# KiCad board EVT-PCB.kicad_pcb (continued)
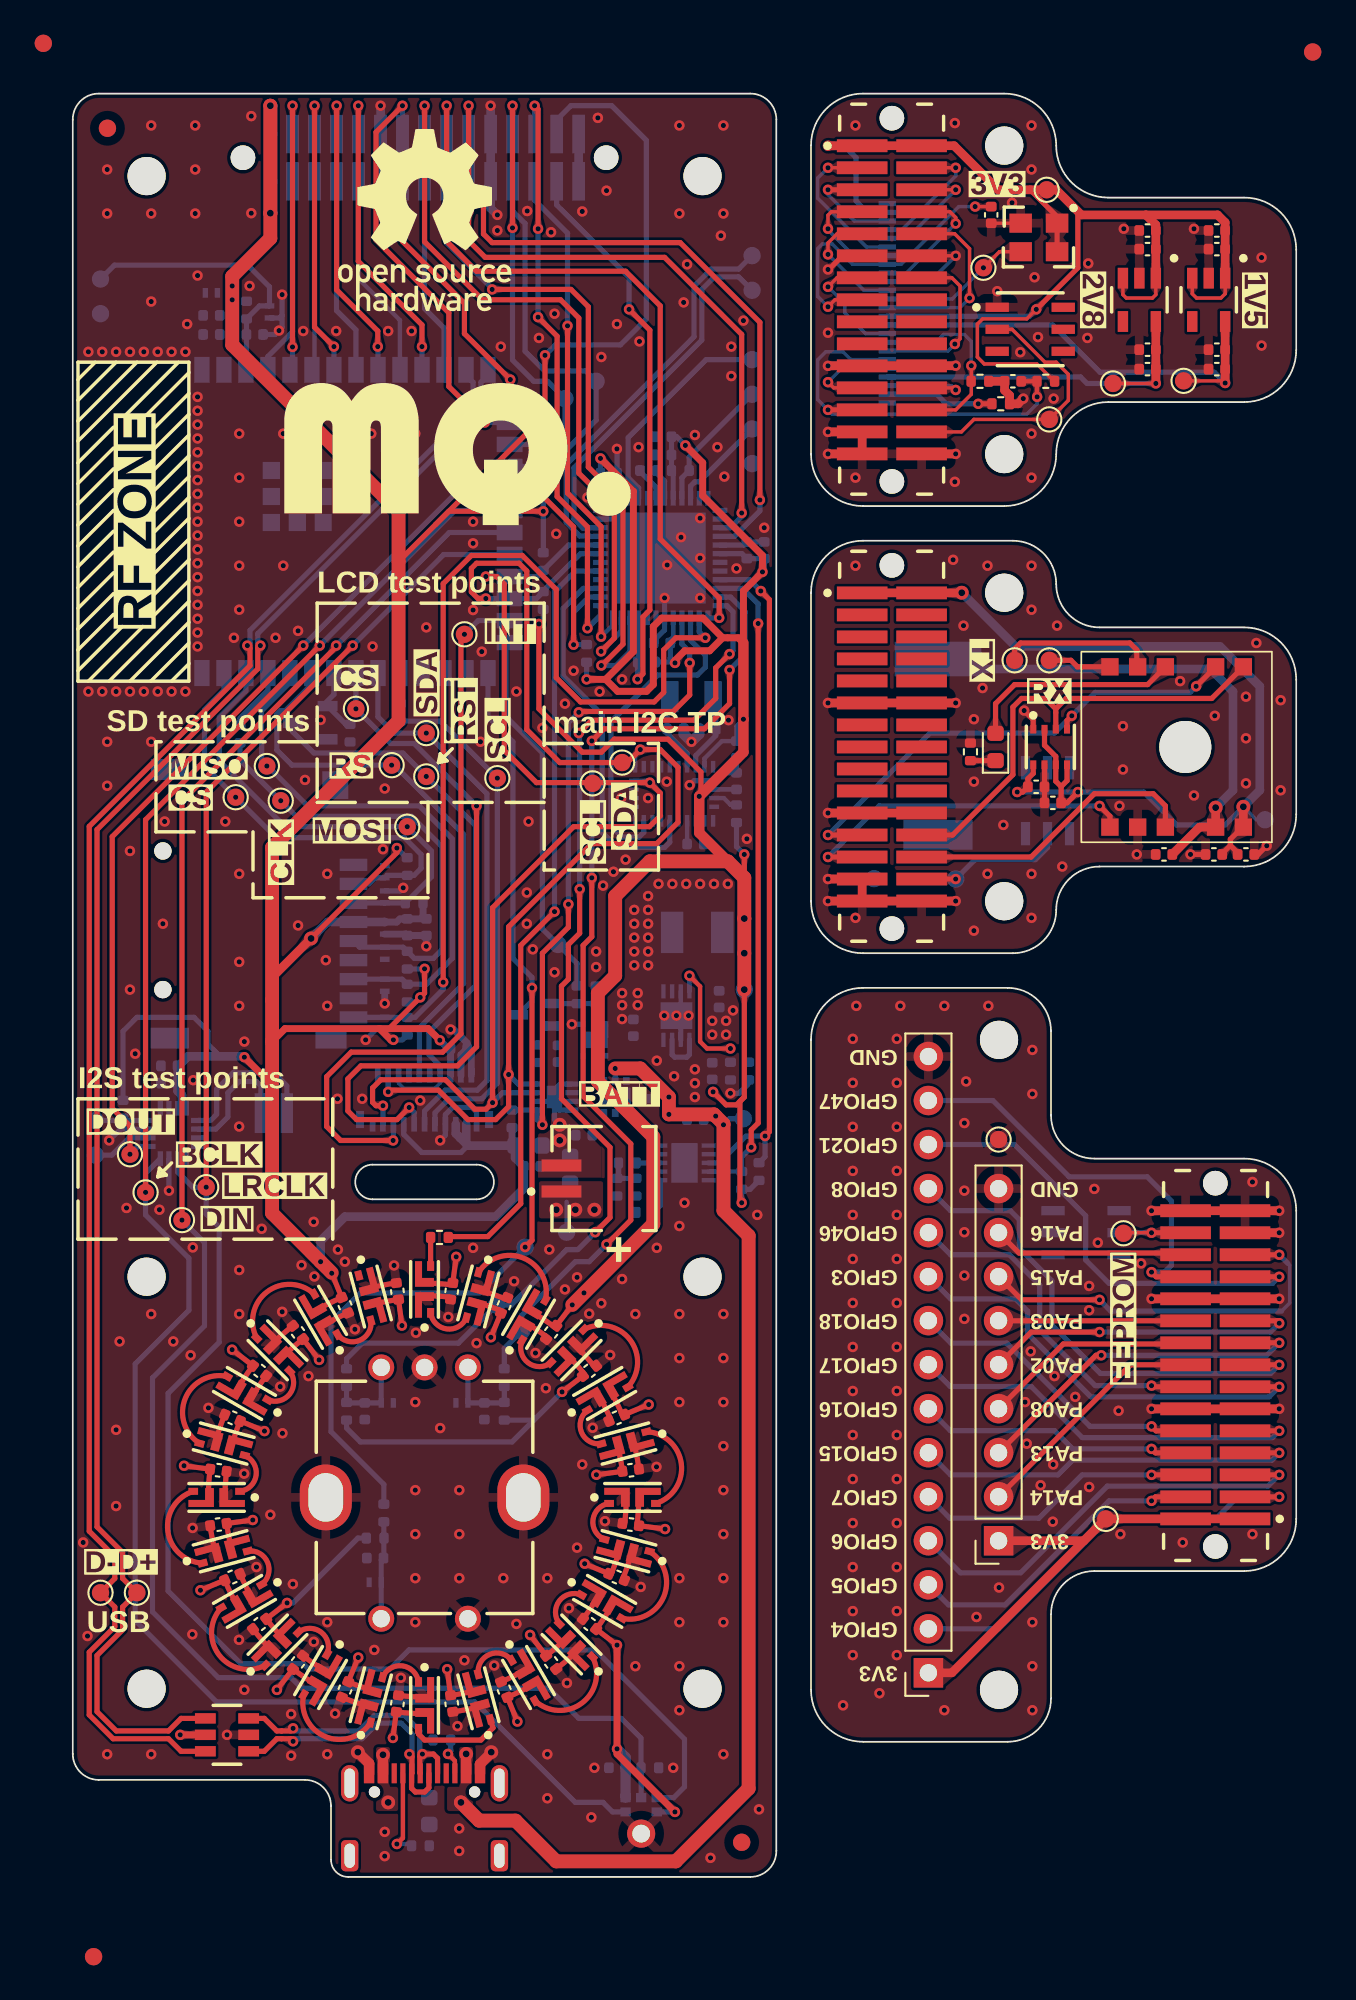
[diagram p0: board, top side]
## Footprints (pads in the part's own frame, mm; a bottom-side part is the same pattern mirrored in y, then rotated)
2-2328724-1
  rect 0.33x0.838 smd: 1(3,1.104) 2(2.7,-1.721) 3(2.4,1.104) 4(2.1,-1.721) 5(1.8,1.104) 6(1.5,-1.721) 7(1.2,1.104) 8(0.9,-1.721) 9(0.6,1.104) 10(0.3,-1.721) 11(0,1.104) 12(-0.3,-1.721) 13(-0.6,1.104) 14(-0.9,-1.721) 15(-1.2,1.104) 16(-1.5,-1.721) 17(-1.8,1.104) 18(-2.1,-1.721) 19(-2.4,1.104) 20(-2.7,-1.721) 21(-3,1.104)
  rect 0.457x0.991 smd: 22(3.725,0.828) 23(-3.725,0.828)
9HT1032768KEZFT
  rect 1x1.8 smd: 1(-1.25,0) 2(1.25,0)
ASE24576MHZLCT
  rect 1.3x1.1 smd: 1(-1.05,-0.825) 2(1.05,-0.825) 3(1.05,0.825) 4(-1.05,0.825)
ATSAMD21G18A-MUT
  rect 0.85x0.3 smd: 1(-3.45,2.75) 2(-3.45,2.25) 3(-3.45,1.75) 4(-3.45,1.25) 5(-3.45,0.75) 6(-3.45,0.25) 7(-3.45,-0.25) 8(-3.45,-0.75) 9(-3.45,-1.25) 10(-3.45,-1.75) 11(-3.45,-2.25) 12(-3.45,-2.75) 25(3.45,-2.75) 26(3.45,-2.25) 27(3.45,-1.75) 28(3.45,-1.25) 29(3.45,-0.75) 30(3.45,-0.25) 31(3.45,0.25) 32(3.45,0.75) 33(3.45,1.25) 34(3.45,1.75) 35(3.45,2.25) 36(3.45,2.75)
  rect 0.3x0.85 smd: 13(-2.75,-3.45) 14(-2.25,-3.45) 15(-1.75,-3.45) 16(-1.25,-3.45) 17(-0.75,-3.45) 18(-0.25,-3.45) 19(0.25,-3.45) 20(0.75,-3.45) 21(1.25,-3.45) 22(1.75,-3.45) 23(2.25,-3.45) 24(2.75,-3.45) 37(2.75,3.45) 38(2.25,3.45) 39(1.75,3.45) 40(1.25,3.45) 41(0.75,3.45) 42(0.25,3.45) 43(-0.25,3.45) 44(-0.75,3.45) 45(-1.25,3.45) 46(-1.75,3.45) 47(-2.25,3.45) 48(-2.75,3.45)
  rect 5.25x5.25 smd: 49(0,0)
BAT54CWT1G
  rect 1.15x0.55 smd: A1(-1,0.65) A2(-1,-0.65) K(1,0)
BME280
  rect 0.5x0.35 smd: 1(1.025,0.975) 2(1.025,0.325) 3(1.025,-0.325) 4(1.025,-0.975) 5(-1.025,-0.975) 6(-1.025,-0.325) 7(-1.025,0.325) 8(-1.025,0.975)
BNO085
  rect 0.675x0.25 smd: 1(1.563,2.25) 6(-1.563,2.25) 7(-1.563,1.75) 8(-1.563,1.25) 9(-1.563,0.75) 10(-1.563,0.25) 11(-1.563,-0.25) 12(-1.563,-0.75) 13(-1.563,-1.25) 14(-1.563,-1.75) 15(-1.563,-2.25) 20(1.563,-2.25) 21(1.563,-1.75) 22(1.563,-1.25) 23(1.563,-0.75) 24(1.563,-0.25) 25(1.563,0.25) 26(1.563,0.75) 27(1.563,1.25) 28(1.563,1.75)
  rect 0.25x0.575 smd: 2(0.75,2.313) 3(0.25,2.313) 4(-0.25,2.313) 5(-0.75,2.313) 16(-0.75,-2.313) 17(-0.25,-2.313) 18(0.25,-2.313) 19(0.75,-2.313)
BSS138-7-F
  rect 1.15x0.6 smd: D(1.1,0) G(-0.9,0.96) S(-0.9,-0.96)
C_0402_1005Metric
  rrect 0.56x0.62 smd: 1(-0.48,0) 2(0.48,0)
C_0603_1608Metric
  rrect 0.9x0.95 smd: 1(-0.775,0) 2(0.775,0)
DESD3V3S1BL-7B
  rect 0.305x0.559 smd: 1(-0.348,0) 2(0.348,0)
DS28E07P+
  rect 1.346x0.533 smd: 1(-1.905,1.27) 2(-1.905,0) 3(-1.905,-1.27) 4(1.905,-1.27) 5(1.905,0) 6(1.905,1.27)
DSK-3R3H224U-HL
  rect 5x2 smd: 1(0,5.075)
  rect 4x1.7 smd: 2(0,-5.075)
ESP32-S3-WROOM-2
  rect 1.499x0.889 smd: 1(-8.75,0) 2(-8.75,-1.27) 3(-8.75,-2.54) 4(-8.75,-3.81) 5(-8.75,-5.08) 6(-8.75,-6.35) 7(-8.75,-7.62) 8(-8.75,-8.89) 9(-8.75,-10.16) 10(-8.75,-11.43) 11(-8.75,-12.7) 12(-8.75,-13.97) 13(-8.75,-15.24) 14(-8.75,-16.51) 27(8.75,-16.51) 28(8.75,-15.24) 29(8.75,-13.97) 30(8.75,-12.7) 31(8.75,-11.43) 32(8.75,-10.16) 33(8.75,-8.89) 34(8.75,-7.62) 35(8.75,-6.35) 36(8.75,-5.08) 37(8.75,-3.81) 38(8.75,-2.54) 39(8.75,-1.27) 40(8.75,0)
  rect 0.889x1.499 smd: 15(-6.985,-17.76) 16(-5.715,-17.76) 17(-4.445,-17.76) 18(-3.175,-17.76) 19(-1.905,-17.76) 20(-0.635,-17.76) 21(0.635,-17.76) 22(1.905,-17.76) 23(3.175,-17.76) 24(4.445,-17.76) 25(5.715,-17.76) 26(6.985,-17.76)
  rect 0.991x0.991 smd: 41(-2.94,-7.004) 41(-2.94,-5.504) 41(-2.94,-4.004) 41(-1.44,-7.004) 41(-1.44,-5.504) 41(-1.44,-4.004) 41(0.06,-7.004) 41(0.06,-5.504) 41(0.06,-4.004)
FD5640
  rect 2x1.3 smd: (-8.05,-15) (8.05,-15)
  rect 7.5x7.5 smd: (0,0)
  rect 0.3x1 smd: 1(-5.95,-17.7) 2(-5.45,-17.7) 3(-4.95,-17.7) 4(-4.45,-17.7) 5(-3.95,-17.7) 6(-3.45,-17.7) 7(-2.95,-17.7) 8(-2.45,-17.7) 9(-1.95,-17.7) 10(-1.45,-17.7) 11(-0.95,-17.7) 12(-0.45,-17.7) 13(0.05,-17.7) 14(0.55,-17.7) 15(1.05,-17.7) 16(1.55,-17.7) 17(2.05,-17.7) 18(2.55,-17.7) 19(3.05,-17.7) 20(3.55,-17.7) 21(4.05,-17.7) 22(4.55,-17.7) 23(5.05,-17.7) 24(5.55,-17.7)
Fiducial_1mm_Mask2mm
  round 1 smd: (0,0)
ICS-43434
  rect 0.522x0.6 smd: 1(-1.364,-0.9) 2(-0.542,-0.9) 4(-0.542,0.9) 5(-1.364,0.9) 6(-1.364,0)
  round 1.625 hole 1.025: 3(0.71,0)
LED_0603_1608Metric
  rrect 0.875x0.95 smd: 1(-0.787,0) 2(0.787,0)
LQH44PN1R0MPRL
  rect 1.295x2.388 smd: 1(-1.448,0) 2(1.448,0)
MAX17048G+T10
  rect 0.75x0.3 smd: 1(-1,0.75) 2(-1,0.25) 3(-1,-0.25) 4(-1,-0.75) 5(1,-0.75) 6(1,-0.25) 7(1,0.25) 8(1,0.75)
  rect 0.9x1.3 smd: 9(0,0)
MAX98357AETE+T
  rect 1.25x1.25 smd: (0,0)
  rect 0.85x0.3 smd: 1(-1.45,0.75) 2(-1.45,0.25) 3(-1.45,-0.25) 4(-1.45,-0.75) 9(1.45,-0.75) 10(1.45,-0.25) 11(1.45,0.25) 12(1.45,0.75)
  rect 0.3x0.85 smd: 5(-0.75,-1.45) 6(-0.25,-1.45) 7(0.25,-1.45) 8(0.75,-1.45) 13(0.75,1.45) 14(0.25,1.45) 15(-0.25,1.45) 16(-0.75,1.45)
MCP73833T
  rect 0.813x0.254 smd: 1(-1.397,1) 2(-1.397,0.5) 3(-1.397,0) 4(-1.397,-0.5) 5(-1.397,-1) 6(1.397,-1) 7(1.397,-0.5) 8(1.397,0) 9(1.397,0.5) 10(1.397,1)
  rect 1.524x2.286 smd: 11(0,0)
MountingHole_2.2mm_M2
  round 2.2 hole 2.2 unplated: (0,0)
MSD1A
  round 1 hole 1 unplated: (-4.95,-3.5) (3.05,-3.5)
  rect 0.7x1.6 smd: 1(2.25,7.5) 2(1.15,7.5) 3(0.05,7.5) 4(-1.05,7.5) 5(-2.15,7.5) 6(-3.25,7.5) 7(-4.35,7.5) 8(-5.45,7.5) CD1(-6.55,7.5)
  rect 1.2x2.2 smd: MP1(7.75,-3.1) MP2(-7.75,-3.1)
  rect 1.6x1.5 smd: MP3(6.85,6.45)
  rect 1.2x1.8 smd: MP4(-7.75,6.2)
NCV6324BMTAATBG
  rect 0.813x0.254 smd: 1(-1.397,0.75) 2(-1.397,0.25) 3(-1.397,-0.25) 4(-1.397,-0.75) 5(1.397,-0.75) 6(1.397,-0.25) 7(1.397,0.25) 8(1.397,0.75)
  rect 1.549x1.829 smd: 9(0,0)
NTLJF3117PT1G
  rect 0.39x0.45 smd: 1(-0.65,-0.925) 2(0,-0.925) 3(0.65,-0.925) 4(0.65,0.925) 5(0,0.925) 6(-0.65,0.925)
  rect 0.82x1.1 smd: 7(-0.49,0) 8(0.49,0)
PA1010D
  round 3 hole 3 unplated: (0,0.5)
  rect 1x1 smd: 1(-4.625,3.85) 2(-4.625,2.25) 3(-4.625,-0.65) 4(-4.625,-2.25) 5(-4.625,-3.85) 6(4.625,-3.85) 7(4.625,-2.25) 8(4.625,-0.65) 9(4.625,2.25) 10(4.625,3.85)
PEC11R-4215F-S0024
  round 1.5 hole 1: 1(-2.5,7) 2(2.5,7) A1(-2.5,-7.5) B1(2.5,-7.5) C1(0,-7.5)
  oval 3x3.8 hole 2x2.8: MH1(-5.7,0) MH2(5.7,0)
PinSocket_1x09_P2.54mm_Vertical
  rect 1.7x1.7 hole 1: 1(0,0)
  oval 1.7x1.7 hole 1: 2(0,-2.54) 3(0,-5.08) 4(0,-7.62) 5(0,-10.16) 6(0,-12.7) 7(0,-15.24) 8(0,-17.78) 9(0,-20.32)
PinSocket_1x15_P2.54mm_Vertical
  rect 1.7x1.7 hole 1: 1(0,0)
  oval 1.7x1.7 hole 1: 2(0,-2.54) 3(0,-5.08) 4(0,-7.62) 5(0,-10.16) 6(0,-12.7) 7(0,-15.24) 8(0,-17.78) 9(0,-20.32) 10(0,-22.86) 11(0,-25.4) 12(0,-27.94) 13(0,-30.48) 14(0,-33.02) 15(0,-35.56)
R_0402_1005Metric
  rrect 0.54x0.64 smd: 1(-0.51,0) 2(0.51,0)
S2B-ZR-SM4A-TF
  rect 1.1x1.9 smd: (-2.7,1.05) (2.7,1.05)
  rect 0.7x2.3 smd: 1(0.75,-2.45) 2(-0.75,-2.45)
SFC-115-T2-F-D-A
  round 1.42 hole 1.42 unplated: (-10.48,0) (10.48,0)
  rect 0.74x2.22 smd: 01(8.89,-1.365) 02(8.89,1.365) 03(7.62,-1.365) 04(7.62,1.365) 05(6.35,-1.365) 06(6.35,1.365) 07(5.08,-1.365) 08(5.08,1.365) 09(3.81,-1.365) 10(3.81,1.365) 11(2.54,-1.365) 12(2.54,1.365) 13(1.27,-1.365) 14(1.27,1.365) 15(0,-1.365) 16(0,1.365) 17(-1.27,-1.365) 18(-1.27,1.365) 19(-2.54,-1.365) 20(-2.54,1.365) 21(-3.81,-1.365) 22(-3.81,1.365) 23(-5.08,-1.365) 24(-5.08,1.365) 25(-6.35,-1.365) 26(-6.35,1.365) 27(-7.62,-1.365) 28(-7.62,1.365) 29(-8.89,-1.365) 30(-8.89,1.365)
SIA527DJ-T1-GE3
  rect 0.3x0.325 smd: D1(-0.65,0.913) D2(0.65,-0.912) G1(0,-0.912) G2(0,0.913) S1(-0.65,-0.912) S2(0.65,0.913)
  rect 0.613x0.95 smd: D1(-0.466,0) D2(0.466,0)
SK68XX-EC3210F
  custom 1.473x1.092 smd: 1(-0.361,0.249) 4(0.359,0.247)
  rect 0.559x0.406 smd: 2(-1.35,-0.349) 3(1.35,-0.349)
TestPoint_Pad_D1.0mm
  round 1 smd: 1(0,0)
TFC-115-02-F-D-A
  round 1.42 hole 1.42 unplated: (-10.48,0) (10.48,0)
  rect 0.74x2.92 smd: 01(-8.89,-1.715) 02(-8.89,1.715) 03(-7.62,-1.715) 04(-7.62,1.715) 05(-6.35,-1.715) 06(-6.35,1.715) 07(-5.08,-1.715) 08(-5.08,1.715) 09(-3.81,-1.715) 10(-3.81,1.715) 11(-2.54,-1.715) 12(-2.54,1.715) 13(-1.27,-1.715) 14(-1.27,1.715) 15(0,-1.715) 16(0,1.715) 17(1.27,-1.715) 18(1.27,1.715) 19(2.54,-1.715) 20(2.54,1.715) 21(3.81,-1.715) 22(3.81,1.715) 23(5.08,-1.715) 24(5.08,1.715) 25(6.35,-1.715) 26(6.35,1.715) 27(7.62,-1.715) 28(7.62,1.715) 29(8.89,-1.715) 30(8.89,1.715)
TLV74315PDBVR
  rect 1.2x0.6 smd: 1(-1.25,0.95) 2(-1.25,0) 3(-1.25,-0.95) 4(1.25,-0.95) 5(1.25,0.95)
TLV74328PDBVR
  rect 1.2x0.6 smd: 1(-1.25,0.95) 2(-1.25,0) 3(-1.25,-0.95) 4(1.25,-0.95) 5(1.25,0.95)
USB4105-GF-A
  round 0.65 hole 0.65 unplated: (-2.89,2.605) (2.89,2.605)
  rect 0.6x1.15 smd: A1_B12(-3.2,3.68) A4_B9(-2.4,3.68) B1_A12(3.2,3.68) B4_A9(2.4,3.68)
  rect 0.3x1.15 smd: A5(-1.25,3.68) A6(-0.25,3.68) A7(0.25,3.68) A8(1.25,3.68) B5(1.75,3.68) B6(0.75,3.68) B7(-0.75,3.68) B8(-1.75,3.68)
  oval 1x2.1 hole 0.6x1.7: SH1(-4.32,3.105) SH2(4.32,3.105)
  rrect 1x1.8 hole 0.6x1.4: SH3(-4.32,-1.075) SH4(4.32,-1.075)
USBLC6-2SC6
  rect 1.2x0.6 smd: 1(-1.25,0.95) 2(-1.25,0) 3(-1.25,-0.95) 4(1.25,-0.95) 5(1.25,0) 6(1.25,0.95)

## Nets
+1V5: C1109.1 C1110.1 TP1103.1 U1102.10 U1103.5
+2V8: C1104.1 C1105.1 TP1101.1 U1101.5 U1102.4
+3V3: C201.1 C202.1 C302.1 C303.1 C501.1 C502.1 C504.1 C505.1 C506.1 C507.1 C508.1 C509.1 C510.1 C511.1 C512.1 C513.1 C514.1 C515.1 C516.1 C517.1 C518.1 C519.1 C520.1 C521.1 C522.1 C523.1 C524.1 C525.1 C526.1 C527.1 C529.1 C530.1 C531.1 C532.1 C601.1 C701.1 C703.1 C705.1 C802.1 C803.1 C901.1 C902.1 C1001.1 C1002.1 C1102.1 C1103.1 C1107.1 C1108.1 C1201.1 C1202.1 C1205.1 C1206.1 D201.1 D501.4 D502.4 D503.4 D504.4 D505.4 D506.4 D507.4 D508.4 D509.4 D510.4 D511.4 D512.4 D513.4 D514.4 D515.4 D516.4 D517.4 D518.4 D519.4 D520.4 D521.4 D522.4 D523.4 D524.4 D901.1 IC501.6 IC501.17 IC501.36 IC501.44 J101.01 J101.02 J701.3 J701.5 J701.6 J701.15 J901.4 J1101.01 J1101.02 J1201.01 J1201.02 J1302.1 J1303.01 J1303.02 J1304.1 L301.2 M601.2 M601.5 R101.1 R102.1 R103.1 R104.1 R107.1 R108.1 R201.1 R304.1 R402.1 R403.1 R404.1 R501.1 R506.2 R507.2 R508.2 R801.1 R901.1 R902.1 R903.1 R904.1 R905.1 R1001.1 R1101.1 TP105.1 TP1104.1 TP1204.1 TP1301.1 U201.2 U801.3 U801.28 U1001.7 U1001.8 U1101.1 U1101.3 U1102.11 U1102.23 U1103.1 U1103.3 U1201.10 U1202.2 U1202.5 U1202.6 U1202.8 X1101.1 X1101.4
+5V: C301.1 C402.1 D301.5 J301.A4_B9 J301.B4_A9 R301.1 TP301.1 U301.1 U301.5 U402.1 U402.2
GND: C201.2 C202.2 C203.2 C301.2 C303.2 C304.2 C401.2 C402.2 C403.2 C501.2 C502.2 C503.2 C504.2 C505.2 C506.2 C507.2 C508.2 C509.2 C510.2 C511.2 C512.2 C513.2 C514.2 C515.2 C516.2 C517.2 C518.2 C519.2 C520.2 C521.2 C522.2 C523.2 C524.2 C525.2 C526.2 C527.2 C528.2 C529.2 C530.2 C531.2 C532.2 C533.2 C534.2 C601.2 C701.2 C703.2 C705.2 C801.2 C802.2 C803.2 C804.2 C805.2 C901.2 C902.2 C1001.2 C1002.2 C1101.2 C1102.2 C1103.2 C1104.2 C1105.2 C1106.2 C1107.2 C1108.2 C1109.2 C1110.2 C1201.2 C1202.2 C1203.2 C1204.2 C1205.2 C1206.2 D201.2 D202.2 D301.2 D501.1 D502.1 D503.1 D504.1 D505.1 D506.1 D507.1 D508.1 D509.1 D510.1 D511.1 D512.1 D513.1 D514.1 D515.1 D516.1 D517.1 D518.1 D519.1 D520.1 D521.1 D522.1 D523.1 D524.1 D525.2 D526.2 D527.2 D901.2 D902.2 D903.2 D904.2 D905.2 D906.2 E501.1 E501.C1 E501.MH1 E501.MH2 IC501.5 IC501.18 IC501.35 IC501.42 IC501.49 J101.11 J101.12 J101.21 J101.22 J101.29 J101.30 J301.A1_B12 J301.B1_A12 J401.2 J701.1 J701.2 J701.4 J701.7 J701.14 J701.20 J701.21 J901.6 J1101.11 J1101.12 J1101.21 J1101.22 J1101.27 J1101.29 J1101.30 J1201.11 J1201.12 J1201.21 J1201.22 J1201.27 J1201.29 J1201.30 J1302.9 J1303.11 J1303.12 J1303.21 J1303.22 J1303.27 J1303.29 J1303.30 J1304.15 M601.3 Q101.S Q301.S1 R105.2 R301.2 R302.2 R303.2 R305.2 R309.2 R401.1 R406.2 R407.2 R601.2 R1102.1 R1103.1 R1201.1 TP202.1 TP508.1 TP1209.1 TP1302.1 U201.1 U201.40 U201.41 U302.1 U302.3 U302.6 U302.9 U401.1 U401.4 U401.6 U401.9 U402.5 U402.11 U801.2 U801.5 U801.6 U801.10 U801.17 U801.25 U1001.3 U1001.11 U1001.15 U1101.2 U1102.15 U1103.2 U1104.1 U1201.7 U1202.1 U1202.7 U1203.1 U1301.1 X1101.2
GNDA: R1103.2 U1102.2
VBUS: C304.1 Q301.D2 U302.5 U302.7 U302.8
+BATT: C401.1 C403.1 J401.1 TP401.1 U301.3 U301.8 U401.2 U401.3 U402.9 U402.10
/BATM_INT: IC501.16 R402.2 U401.5
/BATM_STAT1: IC501.9 R403.2 U402.3
/BATM_STAT2: IC501.10 R404.2 U402.4
/Camera Module/DATA0: U1102.24
/Camera Module/DATA2: J1101.03 U1102.19
/Camera Module/DATA3: J1101.04 U1102.21
/Camera Module/DATA4: J1101.05 U1102.22
/Camera Module/DATA5: J1101.06 U1102.20
/Camera Module/DATA6: J1101.07 U1102.18
/Camera Module/DATA7: J1101.08 U1102.16
/Camera Module/DATA8: J1101.09 U1102.14
/Camera Module/DATA9: J1101.10 U1102.12
/Camera Module/EEPROM: J1101.28 TP1108.1 U1104.2
/Camera Module/HSYNC: J1101.13 U1102.9
/Camera Module/PCLK: C1101.1 J1101.15 U1102.17
/Camera Module/PWDN: J1101.26 R1102.2 U1102.8
/Camera Module/SCL: J1101.23 U1102.5
/Camera Module/SDA: J1101.24 U1102.3
/Camera Module/VSYNC: J1101.14 U1102.7
/Camera Module/~{RESET}: C1106.1 J1101.25 R1101.2 U1102.6
/Dev Module/ATSAMD_IO11: J1302.2 J1303.16
/Dev Module/ATSAMD_IO12: J1302.3 J1303.17
/Dev Module/ATSAMD_IO13: J1302.4 J1303.18
/Dev Module/ATSAMD_IO14: J1302.5 J1303.19
/Dev Module/ATSAMD_IO15: J1302.6 J1303.20
/Dev Module/ATSAMD_IO16: J1302.7 J1303.25
/Dev Module/ATSAMD_IO17: J1302.8 J1303.26
/Dev Module/EEPROM: J1303.28 TP1303.1 U1301.2
/Dev Module/ESP32_IO0: J1303.03 J1304.2
/Dev Module/ESP32_IO1: J1303.04 J1304.3
/Dev Module/ESP32_IO2: J1303.05 J1304.4
/Dev Module/ESP32_IO3: J1303.06 J1304.5
/Dev Module/ESP32_IO4: J1303.07 J1304.6
/Dev Module/ESP32_IO5: J1303.08 J1304.7
/Dev Module/ESP32_IO6: J1303.09 J1304.8
/Dev Module/ESP32_IO7: J1303.10 J1304.9
/Dev Module/ESP32_IO8: J1303.13 J1304.10
/Dev Module/ESP32_IO9: J1303.14 J1304.11
/Dev Module/ESP32_IO10: J1303.15 J1304.12
/Dev Module/SCL: J1303.23 J1304.13
/Dev Module/SDA: J1303.24 J1304.14
/ESP32-S3-WROOM-2/GPIO38: R109.2 U201.31
/ESP32-S3-WROOM-2/GPIO43/TXD0: R110.2 U201.37
/ESP32-S3-WROOM-2/MCU_RST: C203.1 D202.1 R201.2 TP201.1 U201.3
/I2S_BCLK: M601.4 TP109.1 U201.20 U1001.16
/I2S_DIN: M601.6 R601.1 TP110.1 U201.21
/I2S_DOUT: TP108.1 U201.19 U1001.1
/I2S_LRCLK: M601.1 TP111.1 U201.22 U1001.14
/IMU/IMU_XIN: C804.1 U801.27 X801.1
/IMU/IMU_XOUT: C805.1 U801.26 X801.2
/IMU_INT: IC501.15 U801.14
/IMU_RST: IC501.27 U801.11
/LCD/LCD_TE: J701.10
/LCD_CS: J701.13 TP117.1 U201.33
/LCD_RESET: Q101.G R105.1 U201.34
/LCD_RS: J701.12 TP119.1 U201.35
/LCD_SCL: J701.9 R109.1 TP115.1
/LCD_SDA: J701.11 TP116.1 U201.32
/LEAT/D+: IC501.34 TP503.1
/LEAT/D-: IC501.33 TP502.1
/LEAT/LEAT_ENC_A: IC501.11 R504.2 TP506.1
/LEAT/LEAT_ENC_B: IC501.12 R505.2 TP507.1
/LEAT/NEOPIXEL: IC501.29 R502.1
/LEAT/SWCLK: IC501.45 R501.2 TP504.1
/LEAT/SWDIO: IC501.46 TP505.1
/LEAT/~{RESET}: IC501.40 TP501.1
/LEAT_ENC_SW: D302.K R503.2 TP114.1 U201.27
/MAIN_SCL: IC501.32 J701.19 R101.2 TP101.1 U201.23 U401.7 U801.19
/MAIN_SDA: IC501.31 J701.18 R102.2 TP102.1 U201.24 U401.8 U801.20
/MAX98357/MAX_OUTN: J1001.2 U1001.10
/MAX98357/MAX_OUTP: J1001.1 U1001.9
/MAX98357/MAX_SD: R1001.2 TP1002.1 U1001.4
/MOD_DET: IC501.21 J101.27 R108.2
/MOD_EEPROM: IC501.26 J101.28 R107.2
/MOD_IO0: J101.03 U201.4
/MOD_IO1: J101.04 U201.5
/MOD_IO2: J101.05 U201.6
/MOD_IO3: J101.06 U201.7
/MOD_IO4: J101.07 U201.8
/MOD_IO5: J101.08 U201.9
/MOD_IO6: J101.09 U201.10
/MOD_IO7: J101.10 U201.11
/MOD_IO8: J101.13 U201.15
/MOD_IO9: J101.14 U201.16
/MOD_IO10: J101.15 U201.12
/MOD_IO11: IC501.23 J101.16
/MOD_IO12: IC501.22 J101.17
/MOD_IO13: IC501.13 J101.18
/MOD_IO14: IC501.3 J101.19
/MOD_IO15: IC501.4 J101.20
/MOD_PWDN: IC501.25 J101.26
/MOD_RESET: IC501.24 J101.25
/MOD_SCL: J101.23 R103.2 TP103.1 U201.18
/MOD_SDA: J101.24 R104.2 TP104.1 U201.17
/Mountain Module/EEPROM: J1201.28 TP1210.1 U1203.2
/Mountain Module/SCL: J1201.23 U1201.2 U1202.4
/Mountain Module/SDA: J1201.24 U1201.1 U1202.3
/Mountain Module/WAKEUP: J1201.26 U1201.8
/Mountain Module/~{RESET}: J1201.25 U1201.6
/PWR_CTRL: R308.2 TP113.1 U201.26
/SD_CARDDET: D902.1 IC501.14 J901.CD1 R901.2
/SD_CLK: D903.1 J901.5 R110.1 R902.2 TP123.1
/SD_CS: D906.1 J901.2 R905.2 TP121.1 U201.39
/SD_MISO: D905.1 J901.7 R904.2 TP120.1 U201.36
/SD_MOSI: D904.1 J901.3 R903.2 TP122.1 U201.38
/Supply/BUCK_FB: C302.2 R304.2 R305.1 U302.4
/Supply/BUCK_SW: L301.1 U302.2
/Supply/USBC_D+: D301.3 J301.A6 J301.B6
/Supply/USBC_D-: D301.1 J301.A7 J301.B7
/TP_INT: J701.17 TP112.1 U201.25
/USB_D+: D301.4 TP107.1 U201.14
/USB_D-: D301.6 TP106.1 U201.13
/~{LCD_RESET}: J701.8 J701.16 Q101.D TP118.1
VDC: C305.1 Q301.S2 R306.2 U301.4 U301.6 U301.7
Net-(C305-Pad2): C305.2 D302.A2 Q301.D1 Q301.G2 R306.1
Net-(D302-PadA1): D302.A1 Q301.G1 R308.1 R309.1
Net-(D501-DIN): D501.3 R502.2
Net-(D501-DOUT): D501.2 D502.3
Net-(D502-DOUT): D502.2 D503.3
Net-(D503-DOUT): D503.2 D504.3
Net-(D504-DOUT): D504.2 D505.3
Net-(D505-DOUT): D505.2 D506.3
Net-(D506-DOUT): D506.2 D507.3
Net-(D507-DOUT): D507.2 D508.3
Net-(D508-DOUT): D508.2 D509.3
Net-(D509-DOUT): D509.2 D510.3
Net-(D510-DOUT): D510.2 D511.3
Net-(D511-DOUT): D511.2 D512.3
Net-(D512-DOUT): D512.2 D513.3
Net-(D513-DOUT): D513.2 D514.3
Net-(D514-DOUT): D514.2 D515.3
Net-(D515-DOUT): D515.2 D516.3
Net-(D516-DOUT): D516.2 D517.3
Net-(D517-DOUT): D517.2 D518.3
Net-(D518-DOUT): D518.2 D519.3
Net-(D519-DOUT): D519.2 D520.3
Net-(D520-DOUT): D520.2 D521.3
Net-(D521-DOUT): D521.2 D522.3
Net-(D522-DOUT): D522.2 D523.3
Net-(D523-DOUT): D523.2 D524.3
Net-(D1201-A): D1201.2 U1201.3
Net-(D1201-K): D1201.1 R1201.2
Net-(E501-A): C534.1 D525.1 E501.A1 R504.1 R508.1
Net-(E501-B): C533.1 D526.1 E501.B1 R505.1 R507.1
Net-(E501-NO): C503.1 D527.1 E501.2 R503.1 R506.1
Net-(IC501-VDDCORE): C528.1 IC501.43
Net-(J301-CC1): J301.A5 R303.1
Net-(J301-CC2): J301.B5 R302.1
Net-(R405-Pad2): R405.2 R406.1 R407.1
Net-(U402-PROG): R401.2 U402.6
Net-(U402-THERM): R405.1 U402.8
Net-(U801-BOOTN): R801.2 U801.4
Net-(U801-CAP): C801.1 U801.9
Net-(U1001-GAIN): TP1001.1 U1001.2
Net-(U1102-XCLK): TP1102.1 U1102.13 X1101.3
Net-(U1201-RX): TP1203.1 U1201.5
Net-(U1201-TX): TP1202.1 U1201.4
Net-(U1201-VBACKUP): C1203.1 C1204.1 U1201.9

Pads without a net: D524 2; IC501 1 2 7 8 19 20 28 30 37 38 39 41 47 48; J301 A8 B8 SH1 SH2 SH3 SH4; J701 22 23; J901 1 8 MP1 MP2 MP3 MP4; J1101 16 17 18 19 20; J1201 03 04 05 06 07 08 09 10 13 14 15 16 17 18 19 20; U201 28 29 30; U301 2; U402 7; U801 1 7 8 12 13 15 16 18 21 22 23 24; U1001 5 6 12 13; U1101 4; U1102 1; U1103 4; U1104 3 4 5 6; U1203 3 4 5 6; U1301 3 4 5 6

## Via types
v1: diameter 0.8, hole 0.4, Top to Bottom, 20 vias
v2: diameter 0.6, hole 0.3, Top to Bottom, 673 vias

## Routing (per net, layer and track width the routed paths; a pad name or vN(x,y) marks a point on that pad's centre or on a via; arc(x,y) is an arc through that point)
+1V5: length 26.9
  Top w0.2: v2(66.5,86.2) 66.38,86.32 TP1103.1
  Top w0.5: v2(66.5,86.2) U1103.5
  Bottom w0.3: U1102.10 56.55,89.55 59.28,86.82 65.88,86.82 v2(66.5,86.2)
+2V8: length 21.7
  Top w0.2: TP1101.1 v2(62.5,86.17)
  Top w0.5: U1101.5 v2(62.5,86.17)
  Bottom w0.3: v2(62.5,86.17) 58.53,86.17 58.15,86.55 U1102.4
+3V3: length 757
  Top w0.2: U1103.3 64.6,91.35 64.85,91.1 66.25,91.1 66.5,91.35 U1103.1 ; R1101.1 56.63,86.3 55.63,87.3 52.6,87.3 52.2,87.7 52.2,89.6 52.5,89.9 55.05,89.9 v2(55.6,90.45) ; U1101.3 60.6,91.3 60.8,91.1 62.3,91.1 62.5,91.3 U1101.1
  Top w0.3: 7.82,21.76 arc(7.84,22.64) C522.1 v2(6.42,23.73) ; 9.11,19.16 arc(8.98,19.77) C521.1 v2(10.39,20.59) ; 9.24,25.12 arc(9.43,25.72) C523.1 v2(11.06,25.73) ; 9.42,28.02 arc(9.88,28.77) C524.1 v2(9.19,30.42) ; 9.62,15.44 arc(9.16,16.27) C520.1 v2(7.37,16.54) ; 11.98,13.93 arc(11.56,14.4) C519.1 v2(12.37,15.81) ; 12.33,30.22 arc(12.8,30.64) C525.1 v2(14.21,29.83) ; 13.84,32.58 arc(14.67,33.04) C526.1 v2(14.94,34.83) ; 14.28,10.97 arc(13.47,11.45) C518.1 v2(11.78,10.79) ; 17.08,10.84 arc(16.48,11.03) C517.1 v2(16.47,12.66) ; 17.56,33.09 arc(18.17,33.22) C527.1 v2(18.99,31.81) ; D501.4 arc(20.98,34.24) 21.91,34.16 ; 20.55,9.42 arc(19.61,9.44) C516.1 v2(18.47,8.02) ; 23.04,10.71 arc(22.43,10.58) C515.1 v2(21.61,11.99) ; D502.4 arc(24.16,32.89) 24.76,32.66 ; D503.4 arc(27.06,32.25) 27.83,31.71 ; 26.76,11.22 arc(25.93,10.76) C514.1 v2(25.66,8.97) ; 28.27,13.58 arc(27.8,13.16) C513.1 v2(26.39,13.97) ; D504.4 arc(29.14,29.48) 29.54,28.99 ; D505.4 arc(31.33,27.48) 31.72,26.63 ; 31.23,15.88 arc(30.75,15.07) C512.1 v2(31.41,13.38) ; D508.4 arc(31.29,18.04) 31.06,17.44 ; 31.49,24.64 arc(31.62,24.03) C509.1 v2(30.21,23.21) ; D507.4 arc(32.64,21.22) 32.56,20.29 ; v1(13.75,54.15) 18.7,59.1 v2(18.7,59.37) ; v2(26.6,83.7) 20.95,78.05 ; 20.95,78.05 18.8,75.9 ; 20.95,78.05 21.7,78.8 v2(27.15,78.8) ; 66.8,59.52 67.22,59.1 C1201.1 ; 66.8,59.52 66.8,59.88 67.5,60.58 ; 66.8,59.52 66.33,59.05 66.33,59.1 ; 38.75,45 38.5,44.75 38.5,39 v2(38.6,38.9) ; 38.75,45 v1(38.75,51.2) ; 38.75,45 38.3,44.55 37.7,44.55 v2(36.95,45.3) ; C510.1 v2(34.18,20.07) ; v2(20.3,52.4) 20.3,51 18.2,48.9 ; 58.2,95.9 58,96.1 58,92.85 v2(55.6,90.45) ; U1202.8 55.42,63.68 55.11,63.37 C1205.1 54.81,62.6 v2(54.5,62.6) ; C508.1 v2(33.23,27.26) ; C511.1 v2(29.54,18.07) ; v2(38.75,59) 38.75,57.65 ; 55.25,97.35 56.8,95.8 X1101.1 56.8,93.78 ; C504.1 v2(22.13,35.78) ; 36.15,62.2 v2(36.15,62.35) 36.25,62.45 36.25,63.75 34.35,65.65 31.25,65.65 30.5,64.9 29.4,64.9 26.9,67.4 v2(26.9,72.3) ; C506.1 v2(28.82,33.01) ; C507.1 v2(28.23,27.99) ; C505.1 v2(24.13,31.14) ; U1202.2 56.07,65.3 56.72,64.65 U1202.6 56.72,63.23 57.03,62.92 ; v2(58,62.6) 57.38,61.98 C1206.1 57.03,62.92 ; 56.65,86.29 R1101.1 ; 57.03,62.92 57.38,63.26 U1202.5 ; 11.5,51.9 11.5,50.6
  Top w0.4: 30.75,69.1 v2(29.65,69.1) ; 30.75,69.1 31.44,68.41 33.11,68.41 33.5,68.8 33.5,72.15 33.99,72.64 36.36,72.64 37.5,71.5 ; 30.75,69.1 32.35,70.7 32.35,79.95 v2(30.45,81.85) ; 37.5,71.5 36.75,70.75 35.31,70.75 34.75,70.19 v2(34.75,70.05) ; 37.5,71.5 38.4,71.5 38.7,71.2 38.7,74.2 v2(39.8,75.3) 39.8,76.25 36.35,79.7 36.35,81.6 v2(35.35,82.6) ; v2(31.41,13.38) 31.41,7.09 v2(34.75,3.75) ; 17.7,48.95 18.35,48.3 v2(18.5,48.3) ; 17.7,48.95 12.25,48.95 11.5,48.2 ; 17.7,48.95 20.51,48.95 v2(21.18,48.28) ; 11.5,45.7 v2(9.9,47.3)
  Top w0.5: 61.92,95.9 66.06,95.9 66.5,95.46 U1103.1 ; 61.92,95.9 62.5,95.33 U1101.1 ; 61.92,95.9 58.2,95.9 56.75,97.35 53.4,97.35 50.86,99.89 J1101.02 J1101.01 v2(43.58,99.89) ; v1(51.3,74.1) 51.29,74.09 J1201.02 J1201.01 ; v1(67.55,61.75) 67.55,60.63 67.5,60.58 ; J1303.01 TP1301.1 ; TP1301.1 58.35,19.4 J1302.1 ; TP1301.1 50.73,11.78 J1304.1 ; v1(13.75,54.15) 11.5,51.9
  Top w0.6: 37.8,58.6 36.15,60.25 v2(36.15,62.35) 38.7,64.9 v2(38.7,66.8) 38.7,71.2 ; v2(14.94,34.83) 14.94,34.86
  Top w0.8: v1(11.4,102.2) v1(11.4,96) 11.4,94.55 9.2,92.35 9.2,88.4 18.8,78.8 18.8,66.7 11.5,59.4 11.5,38.3 v2(14.3,35.5) 14.94,34.86 ; v1(38.75,51.2) v1(38.75,55.3) 38.75,57.65 37.8,58.6 33.3,58.6 31.3,56.6 31.3,52 30.3,51 30.3,45.9 33.5,42.7 33.5,37.68 v2(28.82,33.01)
  In1.Cu w0.8: v2(28.82,33.01) v2(24.13,31.14) v2(22.13,35.78) v2(18.99,31.81) v2(14.94,34.83) v2(14.3,35.5) ; v2(28.82,33.01) v2(28.23,27.99) v2(33.23,27.26) v2(30.21,23.21) v2(34.18,20.07) v2(29.54,18.07) v2(31.41,13.38) v2(26.39,13.97) v2(25.66,8.97) v2(21.61,11.99) v2(18.47,8.02) v2(16.47,12.66) v2(11.78,10.79) v2(12.37,15.81) v2(7.37,16.54) v2(10.39,20.59) v2(6.42,23.73) v2(11.06,25.73) v2(9.19,30.42) v2(14.21,29.83) ; v2(28.82,33.01) v2(29.5,33.7)
  Bottom w0.2: TP1204.1 68.3,61 v1(67.55,61.75)
  Bottom w0.254: U801.3 C803.1 36.55,62.75 v2(36.15,62.35) ; U801.28 36.45,64.53 37.46,65.54 C802.1 38.3,66.4 v2(38.7,66.8) ; IC501.17 34.65,71.55 34.53,71.43 34.53,71.32 34.65,71.2
  Bottom w0.3: R506.2 16.45,19.55 12.71,15.81 v2(12.37,15.81) ; v2(30.45,81.85) C529.1 IC501.36 ; 19.1,43.43 19.1,42.84 20.14,41.8 22.4,41.8 22.8,42.2 ; R904.1 19.79,50.49 v2(20.05,50.75) ; R403.1 39.09,39.68 R404.1 v2(38.6,38.9) ; v2(18.5,48.3) 19.02,48.3 R901.1 ; v2(54.5,62.6) 61.8,62.6 63.7,60.7 66.5,60.7 v1(67.55,61.75) ; R902.1 20.29,52.39 ; v2(35.35,82.6) 34.85,83.1 C531.1 R501.1 34.65,81.05 IC501.44 ; 27,72.3 27.15,72.45 R102.1 ; IC501.6 38.62,76.35 C502.1 39.85,76.07 ; 34.53,71.1 34.63,71.2 ; R1001.1 2.9,48.8 3.7,49.6 7,49.6 7.8,48.8 7.8,48.05 8.5,47.35 ; v2(38.75,59) 38.3,59.45 R801.1 ; 26.61,26.36 v2(28.23,27.99) ; 26.61,26.36 R508.2 ; 26.61,26.36 25.35,25.1 16.6,25.1 15.8,25.9 R507.2 ; R104.1 27.52,83.7 v2(26.6,83.7) ; v2(29.65,69.1) R107.1 ; C532.1 34.48,70.32 v2(34.75,70.05) 34.7,70.1 R108.1 ; v2(34.75,3.75) M601.2 ; R905.1 19.26,58.81 v2(18.7,59.37) ; U1102.23 45.85,96.05 45.2,96.7 45.2,99.2 44.5,99.9 43.5,99.9 ; U1102.11 55.2,90.05 v2(55.6,90.45) ; R103.1 27.15,79.99 v2(27.15,78.8) R101.1
  Bottom w0.4: v2(21.18,48.28) 21.66,47.8 C703.1 J701.6 ; 20.29,52.39 v2(20.3,52.4) ; R903.1 20.21,55.47 C901.1 18.88,55.28 18.7,55.1 D901.1 ; R402.1 25.35,42.38 C701.1 ; 39.85,76.07 39.85,75.35 v2(39.8,75.3) ; 6.1,45.75 6.05,45.7
  Bottom w0.5: 22.8,42.2 22.7,42.3 22.7,43.43 ; 22.8,42.2 C701.1 25.52,41.5 C705.1 ; 22.8,42.2 22.1,42.9 22.1,43.43 ; 6.3,44.4 6.3,45.1 6.05,45.35 6.05,46.75 6.65,47.35 9.85,47.35 v2(9.9,47.3) ; v2(14.3,35.5) 14.3,36.7 15.7,38.1 24.4,38.1 26.02,39.72 C705.1 ; v1(13.75,54.15) 14.7,55.1 J901.4 18,55.1 D901.1 ; C705.1 26.02,41.01 ; v1(67.55,61.75) 68.5,62.7 68.5,68.7 66.2,71 54.4,71 v1(51.3,74.1)
  Bottom w0.6: v2(31.41,7.39) 31.9,6.9 C601.1 M601.5
  Bottom w0.8: v1(11.4,96) 11.41,96.01 J101.01 J101.02 11.41,102.19 v1(11.4,102.2)
  vias: v1(38.75,53.3) v2(9.2,91.8) v2(9.2,91)
+5V: length 86.8
  Top w0.4: D301.5 v2(6.2,8.2)
  Top w0.6: v1(22.7,7.1) J301.B4_A9 ; J301.A4_B9 v1(17.9,7.05)
  Top w0.8: v2(31.3,46.65) 32.75,46.65 v2(34.4,45) v2(34.4,44) 37,44 v2(37.1,43.9) 37.55,43.45 v2(37.55,43.4) 37.55,38.45 39,37 39,5.1 34.8,0.9 27.9,0.9 25.55,3.25 23.45,3.25 v1(22.4,4.3)
  In1.Cu w0.254: v1(17.9,7.05) 16.7,8.25 16.7,9 15.6,10.1 8.1,10.1 v2(6.2,8.2)
  Bottom w0.3: v2(37.55,43.4) 37.9,43.75 TP301.1 ; 31.3,45.9 v2(31.3,46.65) ; 37.1,43.8 37.15,43.75
  vias: v1(18.2,4.3)
GND: length 192.6
  Top w0.2: 43.56,82.11 43.55,82.1 ; X1101.2 54.69,95.42 C1101.2 ; 44.34,93.54 J1101.11 ; J1101.12 v2(50.95,93.54) ; 51,93.55 50.99,93.54
  Top w0.3: 8.18,18.91 arc(8.04,19.59) C521.2 ; 8.31,25.37 arc(8.52,26.03) C523.2 ; 8.78,21.65 arc(8.8,22.53) C522.2 ; 10.25,27.53 arc(10.68,28.24) C524.2 ; 10.45,15.93 arc(10.02,16.69) C520.2 ; 11.3,13.25 arc(10.83,13.77) C519.2 ; 11.65,30.9 arc(12.17,31.37) C525.2 ; 14.33,31.75 arc(15.09,32.18) C526.2 ; 14.75,11.8 arc(14,12.25) C518.2 ; 16.83,9.91 arc(16.17,10.12) C517.2 ; 17.31,34.02 arc(17.99,34.16) C527.2 ; D501.1 arc(20.94,33.52) 21.82,33.44 ; 20.55,10.38 arc(19.67,10.4) C516.2 ; 23.29,9.78 arc(22.61,9.64) C515.2 ; D502.1 arc(24.39,33.57) 25.03,33.32 ; D503.1 arc(26.66,31.65) 27.39,31.14 ; 26.27,12.05 arc(25.51,11.62) C514.2 ; 28.95,12.9 arc(28.43,12.43) C513.2 ; D504.1 arc(29.68,29.96) 30.11,29.43 ; D505.1 arc(30.69,27.16) 31.06,26.36 ; 30.4,16.35 arc(29.95,15.6) C512.2 ; D507.1 arc(31.92,21.26) 31.84,20.38 ; D508.1 arc(31.97,17.81) 31.72,17.17 ; 32.39,24.99 arc(32.55,24.26) C509.2 ; U1202.1 55.42,66.78 v2(54.9,67.3) ; v2(64.5,59) C1202.2 ; v2(68.9,59.5) 68.4,59 C1201.2 ; 61.4,60.58 61.4,60.45 ; v2(43.58,92.75) 43.63,92.75 44.42,93.54 J1101.11 ; U1202.7 C1206.2 ; v2(43.58,87.19) J1101.21
  Top w0.5: J1201.22 J1201.21 v2(43.58,61.39) ; v2(54.85,85.3) 54.55,85 R1103.1 54.06,85.49 53.77,85.78 C1106.2 R1102.1 ; J1101.30 50.94,82.11 ; 50.94,82.11 v2(50.95,82.11) ; 50.94,82.11 50.95,82.1 ; v2(69.62,33.36) v2(62.25,33.36) ; v2(43.58,83.38) J1101.27 J1101.29 v2(43.58,82.11) ; v2(69.62,27.01) v2(62.25,27.01) ; J1201.29 J1201.27 v2(43.58,57.58) ; v2(43.58,87.19) 43.59,87.2 v2(50.95,87.2) ; v2(69.62,38.44) v2(62.25,38.44) ; v2(50.95,67.74) v2(43.58,67.74) ; v2(43.58,56.31) v2(50.95,56.31) ; J1303.27 v2(69.62,37.17) ; 50.94,56.31 50.95,56.3
  Top w0.6: J301.A1_B12 17.1,6.55 v1(16.45,7.2) ; v1(24.15,7.2) 24.15,7.16 23.5,6.51 J301.B1_A12
  Bottom w0.2: U1102.15 49.46,92.05 v2(50.95,93.54)
  Bottom w0.254: v2(34.83,49.7) 35.08,49.95 U302.3 ; 27.55,44.75 U401.9
  Bottom w0.3: 33.67,71.2 33.67,71.47 34.15,71.95 IC501.18 v2(34.15,73.8) ; C529.2 31.41,82.39 v2(31.4,82.4) ; 12.08,90.1 12.08,89.41 v2(11.9,89.22) 11.67,89 C203.2 ; 12.08,90.1 v2(12.08,91.3) ; 12.08,90.1 11.93,89.95 D202.2 ; U401.1 28.12,45.75 27.8,45.43 U401.9 ; v1(28.1,43.4) 27.8,43.7 U401.9 ; v2(21.2,42.5) 21.5,42.8 21.5,43.99 21.91,44.4 23.05,44.4 23.3,44.15 23.3,43.43 ; D902.2 17.5,48.9 v2(16.9,48.3) ; IC501.5 38.72,76.85 C502.2 39.85,77.03 ; IC501.35 31.65,78.35 IC501.49 ; v2(35.6,63) 35.85,63.25 U801.2 37.18,63.25 37.64,63.71 C803.2 C802.2 ; IC501.42 33.65,80.18 32.73,81.1 C528.2 ; U1001.3 2.75,43.15 v2(2.1,42.5) ; U401.4 28.07,44.25 27.8,44.53 U401.9 ; U401.6 27.55,44.75 ; v2(19.07,57.07) 18.89,56.9 D904.2 ; v2(5.55,39.6) U1001.15 ; Q301.S1 29.44,49.2 v2(28.8,49.2) ; v2(37.95,45.22) 38.45,45.22 38.95,45.72 38.95,45.99 ; U302.6 35.08,49.45 v2(34.83,49.7)
  Bottom w0.4: v2(21.8,48.9) 21.97,48.9 22.76,48.11 C703.2 ; J701.4 22.4,47.44 C703.2 ; 18,51.01 v2(18,50.4) ; J701.2 23,47.56 C703.2 ; v2(20.4,53.7) C901.2 C902.2 19.22,54.4 D901.2
  Bottom w0.5: v2(17.76,102.2) J101.12 J101.11 ; v2(24.5,95.9) 24.11,96.29 J101.21 J101.22 v2(24.11,102.2) ; J101.30 J101.29
  Bottom w0.6: 35.25,66.3 35.25,65.95 v2(35.7,65.5) 36.14,65.95 36.14,66.3
  vias: v1(28.1,42.5) v2(0.6,19.3) v2(0.85,13.9) v2(0.9,88) v2(0.9,68.4) v2(1.7,88) v2(1.7,68.4) v2(1.98,98.52) v2(1.98,95.98) v2(1.98,65.5) v2(1.98,62.96) v2(1.98,7.08) v2(2.5,88) v2(2.5,68.4) v2(2.5,25.8) v2(2.5,21.4) v2(2.7,30.9) v2(3.1,38.6) v2(3.3,88) v2(3.3,68.4) v2(3.3,59.2) v2(3.3,51.2) v2(3.6,47.5) v2(4.1,88) v2(4.1,68.4) v2(4.52,101.06) v2(4.52,95.98) v2(4.52,90.9) v2(4.52,65.5) v2(4.52,32.48) v2(4.52,7.08) v2(4.9,88) v2(4.9,68.4) v2(5,38.5) v2(5.2,55) v2(5.3,60.9) v2(5.7,88) v2(5.7,68.4) v2(5.8,30.9) v2(6.5,88) v2(6.5,68.4) v2(6.6,89.6) v2(6.8,30.1) v2(6.95,45.97) v2(6.92,36.32) v2(6.92,20.14) v2(6.9,14) v2(7.06,101.06) v2(7.06,98.52) v2(7.06,95.98) v2(7.2,92.4) v2(7.2,85.4) v2(7.2,84.6) v2(7.2,83.8) v2(7.2,83) v2(7.2,82.2) v2(7.2,81.4) v2(7.2,80.6) v2(7.2,79.8) v2(7.2,79) v2(7.2,78.2) v2(7.2,77.4) v2(7.2,76.6) v2(7.2,75.8) v2(7.2,75) v2(7.2,74.2) v2(7.2,73.4) v2(7.2,72.6) v2(7.2,71.8) v2(7.2,71) v2(7.83,27.07) v2(8.8,60.9) v2(8.9,8.2) v2(9.3,71.5) v2(9.6,83.28) v2(9.6,80.74) v2(9.6,78.2) v2(9.6,75.66) v2(9.6,73.12) v2(9.6,57.88) v2(9.6,52.8) v2(9.6,50.26) v2(9.6,43.3) v2(9.6,35.02) v2(9.6,32.48) v2(9.59,13.68) v2(9.9,48.2) v2(9.89,23.27) v2(9.9,10.8) v2(10.2,91.8) v2(10.3,101.6) v2(10.3,96) v2(10.6,17.88) v2(10.9,37.4) v2(11.4,20.9) v2(11.7,71.5) v2(11.97,28.29) v2(12.14,83.28) v2(12.14,75.66) v2(12.08,32.61) v2(12.1,25.6) v2(12.6,9.4) v2(12.6,7) v2(12.7,16.9) v2(13,71.9) v2(13,54.9) v2(13.2,35.3) v2(13.3,89.2) v2(13.4,63.3) v2(13.6,28.9) v2(13.9,37.8) v2(13.94,34.65) v2(13.91,13.57) v2(14.3,66.76) v2(14.6,52.9) v2(14.68,57.88) v2(14.68,50.26) v2(14.68,14.7) v2(14.68,7.08) v2(15.13,9.43) v2(15.2,89.2) v2(15.27,44.9) v2(15.3,36.2) v2(15.7,35.5) v2(16.2,79.65) v2(16.28,31.6) v2(16.7,44.9) v2(17.22,83.28) v2(17.3,71) v2(17.4,13.1) v2(17.9,59.3) v2(18,62.8) v2(18,2.6) v2(18,1.2) v2(18.2,95.9) v2(18.2,94.9) v2(18.2,89.2) v2(18.54,35.28) v2(18.93,11.49) v2(19.55,89.2) v2(19.77,83.28) v2(19.8,31.4) v2(19.77,27.4) v2(19.77,22.32) v2(19.77,19.78) v2(19.77,17.24) v2(19.77,14.7) v2(20.05,44.8) v2(20.4,72.1) v2(21.2,25.9) v2(21.67,32.31) v2(22.2,95.3) v2(22.2,8.7) v2(22.3,22.32) v2(22.3,19.78) v2(22.3,17.24) v2(22.3,2.8) v2(22.3,1.5) v2(22.6,12.5) v2(23.1,78.2) v2(23.1,76.95) v2(23.1,73.1) v2(23.1,36.3) v2(23.3,30.8) v2(23.5,79.5) v2(23.52,65.5) v2(23.6,70.7) v2(24.32,12.2) v2(24.5,95) v2(24.7,88.3) v2(24.84,17.24) v2(25.47,34.37) v2(25.6,68.4) v2(25.6,14.6) v2(26.22,96.12) v2(26.2,56.8) v2(26.2,55) v2(26.3,60.9) v2(26.5,79.9) v2(26.54,53.52) v2(26.6,84.8) v2(26.7,30.23) v2(26.9,88.8) v2(27.1,66.3) v2(27.3,28.2) v2(27.38,17.24) v2(27.38,7.08) v2(27.38,4.54) v2(27.5,36.2) v2(27.6,94.9) v2(27.8,90.2) v2(27.8,52.2) v2(27.9,77.5) v2(28.4,67.7) v2(28.4,33.9) v2(28.52,11.19) v2(28.63,15.51) v2(28.9,69.6) v2(29.1,34.6) v2(29.1,19) v2(29.4,96.1) v2(29.4,23.8) v2(29.7,79.6) v2(29.8,32.5) v2(29.92,3.44) v2(30,25.92) v2(30.1,6.3) v2(30.2,53.4) v2(30.2,52.5) v2(30.3,101.5) v2(30.4,68.4) v2(30.5,87.7) v2(30.5,33.1) v2(30.6,57.2) v2(30.71,20.53) v2(30.8,97.3) v2(31.01,30.12) v2(31.2,58) v2(31.4,89.6) v2(31.65,62.25) v2(31.7,69.1) v2(31.7,51) v2(31.7,50.3) v2(31.7,49.5) v2(31.7,34.5) v2(31.9,58.7) v2(32.4,55.8) v2(32.4,55) v2(32.4,54.2) v2(32.4,53.4) v2(32.4,52.6) v2(32.46,32.48) v2(32.46,12.16) v2(32.65,82.5) v2(32.6,51) v2(32.6,50.3) v2(32.7,88.6) v2(32.77,16.73) v2(33.2,62.25) v2(33.2,56.6) v2(33.2,55.8) v2(33.2,55) v2(33.2,54.2) v2(33.2,53.4) v2(33.2,52.6) v2(33.7,47.1) v2(33.7,36.3) v2(33.68,23.66) v2(33.8,57.3) v2(34.13,49.7) v2(34.3,75.7) v2(34.27,63.2) v2(34.6,57.3) v2(34.65,6.3) v2(34.7,46.2) v2(35,101.06) v2(35,95.98) v2(35,37.56) v2(35,32.48) v2(35,29.94) v2(35,27.4) v2(35,17.24) v2(35,14.7) v2(35,12.16) v2(35,9.62) v2(35.1,77.3) v2(35.25,90.85) v2(35.3,38.9) v2(35.45,93.05) v2(35.4,57.3) v2(35.53,49.7) v2(35.9,83.2) v2(35.9,46.6) v2(35.9,45.8) v2(35.9,45) v2(36.2,78.4) v2(36.2,76.1) v2(36.2,73.8) v2(36.2,57.3) v2(36.8,1.1) v2(36.9,49.4) v2(36.9,48.6) v2(37,57.3) v2(37.2,82.5) v2(37.4,94.7) v2(37.54,101.06) v2(37.54,95.98) v2(37.54,32.48) v2(37.54,29.94) v2(37.54,27.4) v2(37.54,24.86) v2(37.54,22.32) v2(37.54,19.78) v2(37.54,17.24) v2(37.54,14.7) v2(37.54,7.08) v2(37.6,80.8) v2(37.7,49.4) v2(37.7,48.6) v2(37.84,66.75) v2(37.8,57.3) v2(38,88.3) v2(38,86.6) v2(38.1,50) v2(38.3,75.5) v2(38.7,89.8) v2(38.9,59.9) v2(39.5,38.2) v2(39.6,3.9) v2(39.9,77.85) v2(43.58,89.1) v2(44.45,9.9) v2(45.01,48.36) v2(45.01,45.82) v2(45.01,43.28) v2(45.01,40.74) v2(45.01,38.2) v2(45.01,35.66) v2(45.01,33.12) v2(45.01,30.58) v2(45.01,28.04) v2(45.01,25.5) v2(45.01,22.96) v2(45.01,20.42) v2(45.01,17.88) v2(45.01,15.34) v2(45.01,12.8) v2(45.16,101.06) v2(45.16,80.74) v2(45.16,75.66) v2(45.16,55.34) v2(45.21,50.26) v2(46.55,10.6) v2(47.55,48.36) v2(47.55,45.82) v2(47.55,43.28) v2(47.55,40.74) v2(47.55,38.2) v2(47.55,35.66) v2(47.55,33.12) v2(47.55,30.58) v2(47.55,28.04) v2(47.55,25.5) v2(47.55,22.96) v2(47.55,20.42) v2(47.55,17.88) v2(47.55,15.34) v2(47.55,12.8) v2(47.75,50.26) v2(50.29,50.26) v2(50.29,9.62) v2(50.8,76) v2(50.9,101.2) v2(50.9,80.5) v2(51.4,72.2) v2(51.45,43.5) v2(51.45,39.6) v2(51.45,37.2) v2(51.45,34.7) v2(51.45,32.2) v2(51.55,45.9) v2(52,66.8) v2(52,63.2) v2(52,54.6) v2(52.15,15) v2(52.5,68.6) v2(52.78,75.66) v2(52.78,57.88) v2(52.83,50.26) v2(53.35,91.5) v2(53.45,16.7) v2(53.7,60.7) v2(54.2,96.6) v2(54.68,87.98) v2(54.95,27.4) v2(55.05,25) v2(55.32,101.06) v2(55.32,98.52) v2(55.32,83.28) v2(55.32,80.74) v2(55.32,75.66) v2(55.32,73.12) v2(55.32,57.88) v2(55.32,55.34) v2(55.28,30.33) v2(55.38,47.72) v2(55.38,45.18) v2(55.38,14.7) v2(55.38,12.16) v2(55.38,9.62) v2(55.5,92.3) v2(55.7,88.85) v2(55.85,22.6) v2(56.6,85.3) v2(56.58,23.8) v2(56.55,20.5) v2(56.65,28.9) v2(56.8,72.2) v2(57.1,58.3) v2(57.85,27.7) v2(58.55,88.8) v2(58.6,93.1) v2(58.65,34.1) v2(58.65,32.7) v2(58.65,22.5) v2(58.95,39.7) v2(59.15,36.6) v2(60.4,61.8) v2(60.35,26.9) v2(60.45,19.78) v2(60.6,66.4) v2(60.6,63.9) v2(60.65,95.1) v2(61.4,59) v2(61.65,35.4) v2(63.9,69) v2(64.05,19.3) v2(64.7,95.1) v2(64.7,62.4) v2(65.9,67) v2(67.7,68.1) v2(67.7,65.7) v2(67.7,63.1) v2(68.07,40.1) v2(68.07,19.78) v2(68.3,71.2) v2(68.6,93.44) v2(68.6,88.36) v2(69.7,67.9) v2(69.7,62.7)
